# Altium PCB Tag201_GangProgrammerRev1.PcbDoc (part 4 of 7) (continued)
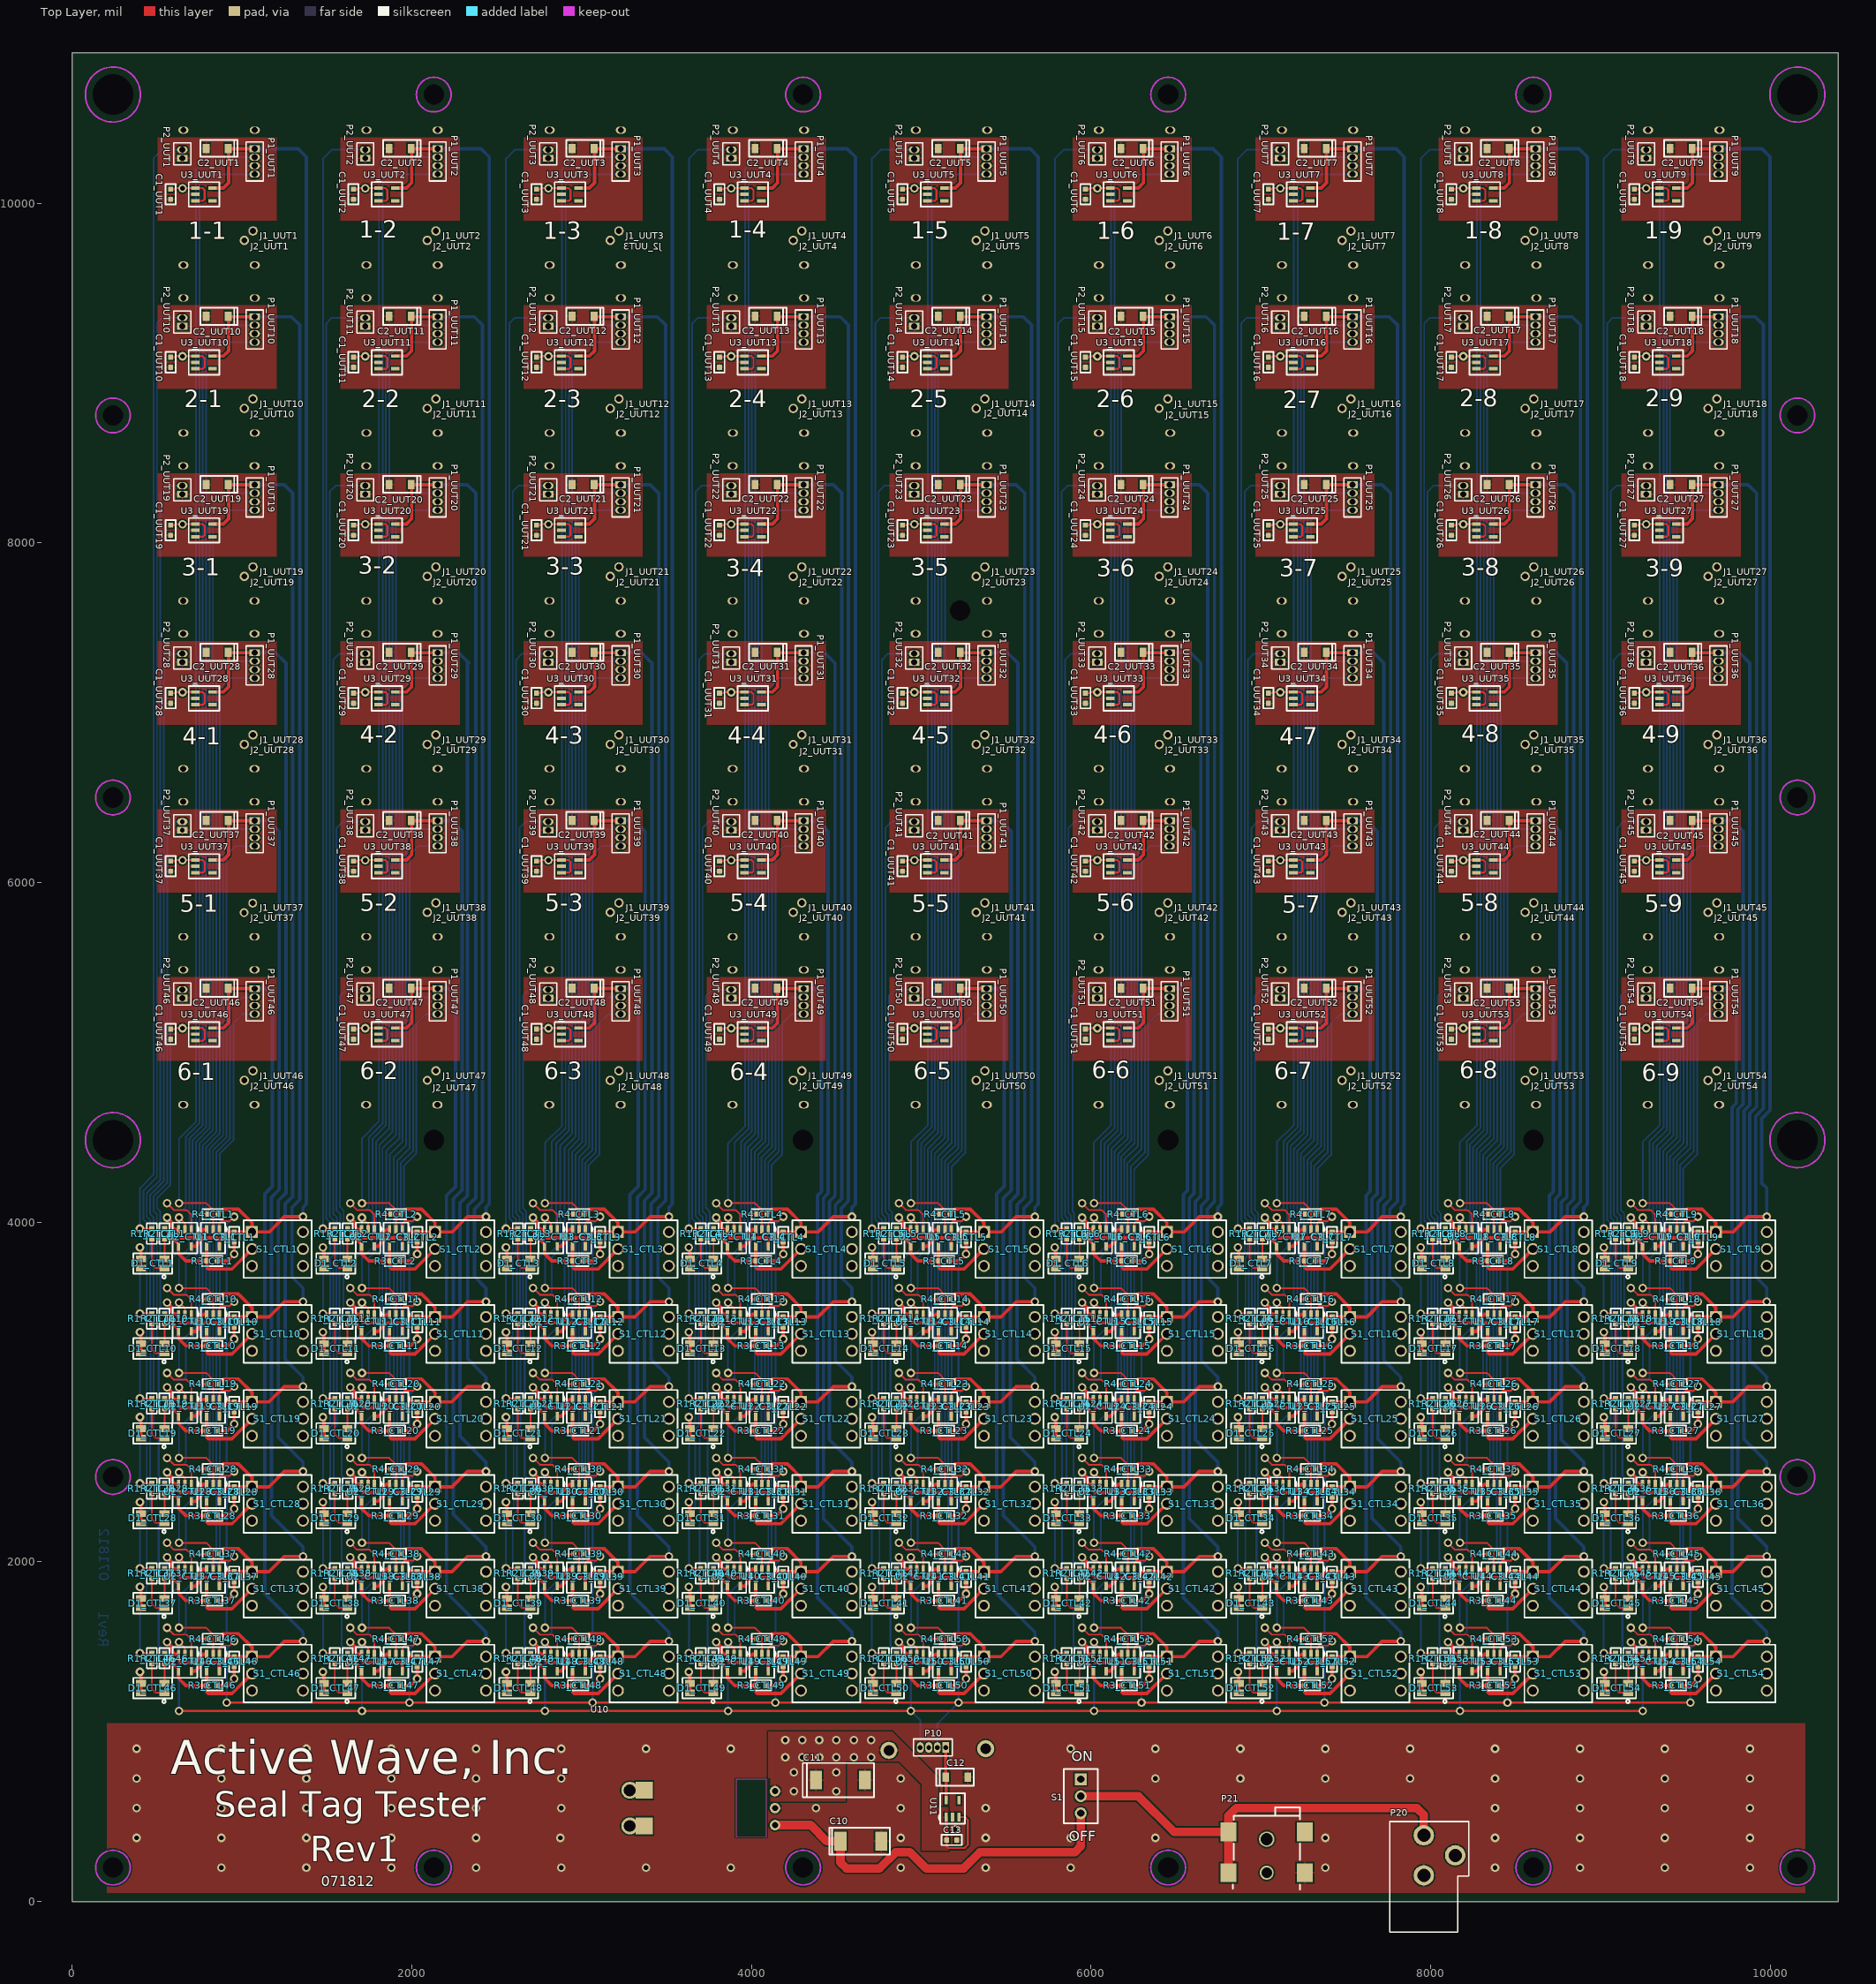
[diagram p0: Top Layer view]
## Nets (pads, with @x,y where several pads share a name; then routed paths per layer and width w, separated by ;. In a path a pad name is that pad's centre, name@x,y a point inside that pad or via, vN(x,y) a via of type N, cw(c..) or ccw(c..) an arc to the next point about the centre after c; other vN are vias at no path point) (continued)
  Top Layer w20: v1(399,1352) 405.1,1345.9 D1_CTL46.4@405.1,1284.56 D1_CTL46.3@405.1,1229.44 ; v1(399,1852) 405.1,1845.9 D1_CTL37.4@405.1,1784.56 D1_CTL37.3@405.1,1729.44 ; v1(399,2352) 405.1,2345.9 D1_CTL28.4@405.1,2284.56 D1_CTL28.3@405.1,2229.44 ; v1(399,2852) 405.1,2845.9 D1_CTL19.4@405.1,2784.56 D1_CTL19.3@405.1,2729.44 ; v1(399,3352) 405.1,3345.9 D1_CTL10.4@405.1,3284.56 D1_CTL10.3@405.1,3229.44 ; v1(399,3852) 405.1,3845.9 D1_CTL1.4@405.1,3784.56 D1_CTL1.3@405.1,3729.44 ; v1(559,1527) 589,1497 589,1472 604,1457 U2_CTL46.3@626.5,1457 626.5,1422 641.5,1407 724,1407 774,1457 U1_CTL46.3@791.5,1457 ; v1@559,1532 v1@561.5,1529.5 ; v1(559,2027) 589,1997 589,1972 604,1957 U2_CTL37.3@626.5,1957 626.5,1922 641.5,1907 724,1907 774,1957 U1_CTL37.3@791.5,1957 ; v1@559,2032 v1@561.5,2029.5 ; v1(559,2527) 589,2497 589,2472 604,2457 U2_CTL28.3@626.5,2457 626.5,2422 641.5,2407 724,2407 774,2457 U1_CTL28.3@791.5,2457 ; v1@559,2532 v1@561.5,2529.5 ; v1(559,3027) 589,2997 589,2972 604,2957 U2_CTL19.3@626.5,2957 626.5,2922 641.5,2907 724,2907 774,2957 U1_CTL19.3@791.5,2957 ; v1@559,3032 v1@561.5,3029.5 ; v1(559,3527) 589,3497 589,3472 604,3457 U2_CTL10.3@626.5,3457 626.5,3422 641.5,3407 724,3407 774,3457 U1_CTL10.3@791.5,3457 ; v1@559,3532 v1@561.5,3529.5 ; v1(559,4027) 589,3997 589,3972 604,3957 U2_CTL1.3@626.5,3957 626.5,3922 641.5,3907 724,3907 774,3957 U1_CTL1.3@791.5,3957 ; v1@559,4032 v1@561.5,4029.5 ; R3_CTL46.2@854,1272 914,1272 v1(954,1312) C3_CTL46.2@954,1382 ; R3_CTL37.2@854,1772 914,1772 v1(954,1812) C3_CTL37.2@954,1882 ; R3_CTL28.2@854,2272 914,2272 v1(954,2312) C3_CTL28.2@954,2382 ; R3_CTL19.2@854,2772 914,2772 v1(954,2812) C3_CTL19.2@954,2882 ; R3_CTL10.2@854,3272 914,3272 v1(954,3312) C3_CTL10.2@954,3382 ; R3_CTL1.2@854,3772 914,3772 v1(954,3812) C3_CTL1.2@954,3882 ; v1(1476.5,1352) 1482.6,1345.9 D1_CTL47.4@1482.6,1284.56 D1_CTL47.3@1482.6,1229.44 ; v1(1476.5,1852) 1482.6,1845.9 D1_CTL38.4@1482.6,1784.56 D1_CTL38.3@1482.6,1729.44 ; v1(1476.5,2352) 1482.6,2345.9 D1_CTL29.4@1482.6,2284.56 D1_CTL29.3@1482.6,2229.44 ; v1(1476.5,2852) 1482.6,2845.9 D1_CTL20.4@1482.6,2784.56 D1_CTL20.3@1482.6,2729.44 ; v1(1476.5,3352) 1482.6,3345.9 D1_CTL11.4@1482.6,3284.56 D1_CTL11.3@1482.6,3229.44 ; v1(1476.5,3852) 1482.6,3845.9 D1_CTL2.4@1482.6,3784.56 D1_CTL2.3@1482.6,3729.44 ; v1(1636.5,1527) 1666.5,1497 1666.5,1472 1681.5,1457 U2_CTL47.3@1704,1457 1704,1422 1719,1407 1801.5,1407 1851.5,1457 U1_CTL47.3@1869,1457 ; v1@1636.5,1532 v1@1639,1529.5 ; v1(1636.5,2027) 1666.5,1997 1666.5,1972 1681.5,1957 U2_CTL38.3@1704,1957 1704,1922 1719,1907 1801.5,1907 1851.5,1957 U1_CTL38.3@1869,1957 ; v1@1636.5,2032 v1@1639,2029.5 ; v1(1636.5,2527) 1666.5,2497 1666.5,2472 1681.5,2457 U2_CTL29.3@1704,2457 1704,2422 1719,2407 1801.5,2407 1851.5,2457 U1_CTL29.3@1869,2457 ; v1@1636.5,2532 v1@1639,2529.5 ; v1(1636.5,3027) 1666.5,2997 1666.5,2972 1681.5,2957 U2_CTL20.3@1704,2957 1704,2922 1719,2907 1801.5,2907 1851.5,2957 U1_CTL20.3@1869,2957 ; v1@1636.5,3032 v1@1639,3029.5 ; v1(1636.5,3527) 1666.5,3497 1666.5,3472 1681.5,3457 U2_CTL11.3@1704,3457 1704,3422 1719,3407 1801.5,3407 1851.5,3457 U1_CTL11.3@1869,3457 ; v1@1636.5,3532 v1@1639,3529.5 ; v1(1636.5,4027) 1666.5,3997 1666.5,3972 1681.5,3957 U2_CTL2.3@1704,3957 1704,3922 1719,3907 1801.5,3907 1851.5,3957 U1_CTL2.3@1869,3957 ; v1@1636.5,4032 v1@1639,4029.5 ; R3_CTL47.2@1931.5,1272 1991.5,1272 v1(2031.5,1312) C3_CTL47.2@2031.5,1382 ; R3_CTL38.2@1931.5,1772 1991.5,1772 v1(2031.5,1812) C3_CTL38.2@2031.5,1882 ; R3_CTL29.2@1931.5,2272 1991.5,2272 v1(2031.5,2312) C3_CTL29.2@2031.5,2382 ; R3_CTL20.2@1931.5,2772 1991.5,2772 v1(2031.5,2812) C3_CTL20.2@2031.5,2882 ; R3_CTL11.2@1931.5,3272 1991.5,3272 v1(2031.5,3312) C3_CTL11.2@2031.5,3382 ; R3_CTL2.2@1931.5,3772 1991.5,3772 v1(2031.5,3812) C3_CTL2.2@2031.5,3882 ; v1(2554,1352) 2560.1,1345.9 D1_CTL48.4@2560.1,1284.56 D1_CTL48.3@2560.1,1229.44 ; v1(2554,1852) 2560.1,1845.9 D1_CTL39.4@2560.1,1784.56 D1_CTL39.3@2560.1,1729.44 ; v1(2554,2352) 2560.1,2345.9 D1_CTL30.4@2560.1,2284.56 D1_CTL30.3@2560.1,2229.44 ; v1(2554,2852) 2560.1,2845.9 D1_CTL21.4@2560.1,2784.56 D1_CTL21.3@2560.1,2729.44 ; v1(2554,3352) 2560.1,3345.9 D1_CTL12.4@2560.1,3284.56 D1_CTL12.3@2560.1,3229.44 ; v1(2554,3852) 2560.1,3845.9 D1_CTL3.4@2560.1,3784.56 D1_CTL3.3@2560.1,3729.44 ; v1(2714,1527) 2744,1497 2744,1472 2759,1457 U2_CTL48.3@2781.5,1457 2781.5,1422 2796.5,1407 2879,1407 2929,1457 U1_CTL48.3@2946.5,1457 ; v1@2714,1532 v1@2716.5,1529.5 ; v1(2714,2027) 2744,1997 2744,1972 2759,1957 U2_CTL39.3@2781.5,1957 2781.5,1922 2796.5,1907 2879,1907 2929,1957 U1_CTL39.3@2946.5,1957 ; v1@2714,2032 v1@2716.5,2029.5 ; v1(2714,2527) 2744,2497 2744,2472 2759,2457 U2_CTL30.3@2781.5,2457 2781.5,2422 2796.5,2407 2879,2407 2929,2457 U1_CTL30.3@2946.5,2457 ; v1@2714,2532 v1@2716.5,2529.5 ; v1(2714,3027) 2744,2997 2744,2972 2759,2957 U2_CTL21.3@2781.5,2957 2781.5,2922 2796.5,2907 2879,2907 2929,2957 U1_CTL21.3@2946.5,2957 ; v1@2714,3032 v1@2716.5,3029.5 ; v1(2714,3527) 2744,3497 2744,3472 2759,3457 U2_CTL12.3@2781.5,3457 2781.5,3422 2796.5,3407 2879,3407 2929,3457 U1_CTL12.3@2946.5,3457 ; v1@2714,3532 v1@2716.5,3529.5 ; v1(2714,4027) 2744,3997 2744,3972 2759,3957 U2_CTL3.3@2781.5,3957 2781.5,3922 2796.5,3907 2879,3907 2929,3957 U1_CTL3.3@2946.5,3957 ; v1@2714,4032 v1@2716.5,4029.5 ; R3_CTL48.2@3009,1272 3069,1272 v1(3109,1312) C3_CTL48.2@3109,1382 ; R3_CTL39.2@3009,1772 3069,1772 v1(3109,1812) C3_CTL39.2@3109,1882 ; R3_CTL30.2@3009,2272 3069,2272 v1(3109,2312) C3_CTL30.2@3109,2382 ; R3_CTL21.2@3009,2772 3069,2772 v1(3109,2812) C3_CTL21.2@3109,2882 ; R3_CTL12.2@3009,3272 3069,3272 v1(3109,3312) C3_CTL12.2@3109,3382 ; R3_CTL3.2@3009,3772 3069,3772 v1(3109,3812) C3_CTL3.2@3109,3882 ; v1(3631.5,1352) 3637.6,1345.9 D1_CTL49.4@3637.6,1284.56 D1_CTL49.3@3637.6,1229.44 ; v1(3631.5,1852) 3637.6,1845.9 D1_CTL40.4@3637.6,1784.56 D1_CTL40.3@3637.6,1729.44 ; v1(3631.5,2352) 3637.6,2345.9 D1_CTL31.4@3637.6,2284.56 D1_CTL31.3@3637.6,2229.44 ; v1(3631.5,2852) 3637.6,2845.9 D1_CTL22.4@3637.6,2784.56 D1_CTL22.3@3637.6,2729.44 ; v1(3631.5,3352) 3637.6,3345.9 D1_CTL13.4@3637.6,3284.56 D1_CTL13.3@3637.6,3229.44 ; v1(3631.5,3852) 3637.6,3845.9 D1_CTL4.4@3637.6,3784.56 D1_CTL4.3@3637.6,3729.44 ; v1(3791.5,1527) 3821.5,1497 3821.5,1472 3836.5,1457 U2_CTL49.3@3859,1457 3859,1422 3874,1407 3956.5,1407 4006.5,1457 U1_CTL49.3@4024,1457 ; v1@3791.5,1532 v1@3794,1529.5 ; v1(3791.5,2027) 3821.5,1997 3821.5,1972 3836.5,1957 U2_CTL40.3@3859,1957 3859,1922 3874,1907 3956.5,1907 4006.5,1957 U1_CTL40.3@4024,1957 ; v1@3791.5,2032 v1@3794,2029.5 ; v1(3791.5,2527) 3821.5,2497 3821.5,2472 3836.5,2457 U2_CTL31.3@3859,2457 3859,2422 3874,2407 3956.5,2407 4006.5,2457 U1_CTL31.3@4024,2457 ; v1@3791.5,2532 v1@3794,2529.5 ; v1(3791.5,3027) 3821.5,2997 3821.5,2972 3836.5,2957 U2_CTL22.3@3859,2957 3859,2922 3874,2907 3956.5,2907 4006.5,2957 U1_CTL22.3@4024,2957 ; v1@3791.5,3032 v1@3794,3029.5 ; v1(3791.5,3527) 3821.5,3497 3821.5,3472 3836.5,3457 U2_CTL13.3@3859,3457 3859,3422 3874,3407 3956.5,3407 4006.5,3457 U1_CTL13.3@4024,3457 ; v1@3791.5,3532 v1@3794,3529.5 ; v1(3791.5,4027) 3821.5,3997 3821.5,3972 3836.5,3957 U2_CTL4.3@3859,3957 3859,3922 3874,3907 3956.5,3907 4006.5,3957 U1_CTL4.3@4024,3957 ; v1@3791.5,4032 v1@3794,4029.5 ; R3_CTL49.2@4086.5,1272 4146.5,1272 v1(4186.5,1312) C3_CTL49.2@4186.5,1382 ; R3_CTL40.2@4086.5,1772 4146.5,1772 v1(4186.5,1812) C3_CTL40.2@4186.5,1882 ; R3_CTL31.2@4086.5,2272 4146.5,2272 v1(4186.5,2312) C3_CTL31.2@4186.5,2382 ; R3_CTL22.2@4086.5,2772 4146.5,2772 v1(4186.5,2812) C3_CTL22.2@4186.5,2882 ; R3_CTL13.2@4086.5,3272 4146.5,3272 v1(4186.5,3312) C3_CTL13.2@4186.5,3382 ; R3_CTL4.2@4086.5,3772 4146.5,3772 v1(4186.5,3812) C3_CTL4.2@4186.5,3882 ; v1(4709,1352) 4715.1,1345.9 D1_CTL50.4@4715.1,1284.56 D1_CTL50.3@4715.1,1229.44 ; v1(4709,1852) 4715.1,1845.9 D1_CTL41.4@4715.1,1784.56 D1_CTL41.3@4715.1,1729.44 ; v1(4709,2352) 4715.1,2345.9 D1_CTL32.4@4715.1,2284.56 D1_CTL32.3@4715.1,2229.44 ; v1(4709,2852) 4715.1,2845.9 D1_CTL23.4@4715.1,2784.56 D1_CTL23.3@4715.1,2729.44 ; v1(4709,3352) 4715.1,3345.9 D1_CTL14.4@4715.1,3284.56 D1_CTL14.3@4715.1,3229.44 ; v1(4709,3852) 4715.1,3845.9 D1_CTL5.4@4715.1,3784.56 D1_CTL5.3@4715.1,3729.44 ; v1(4869,1527) 4899,1497 4899,1472 4914,1457 U2_CTL50.3@4936.5,1457 4936.5,1422 4951.5,1407 5034,1407 5084,1457 U1_CTL50.3@5101.5,1457 ; v1@4869,1532 v1@4871.5,1529.5 ; v1(4869,2027) 4899,1997 4899,1972 4914,1957 U2_CTL41.3@4936.5,1957 4936.5,1922 4951.5,1907 5034,1907 5084,1957 U1_CTL41.3@5101.5,1957 ; v1@4869,2032 v1@4871.5,2029.5 ; v1(4869,2527) 4899,2497 4899,2472 4914,2457 U2_CTL32.3@4936.5,2457 4936.5,2422 4951.5,2407 5034,2407 5084,2457 U1_CTL32.3@5101.5,2457 ; v1@4869,2532 v1@4871.5,2529.5 ; v1(4869,3027) 4899,2997 4899,2972 4914,2957 U2_CTL23.3@4936.5,2957 4936.5,2922 4951.5,2907 5034,2907 5084,2957 U1_CTL23.3@5101.5,2957 ; v1@4869,3032 v1@4871.5,3029.5 ; v1(4869,3527) 4899,3497 4899,3472 4914,3457 U2_CTL14.3@4936.5,3457 4936.5,3422 4951.5,3407 5034,3407 5084,3457 U1_CTL14.3@5101.5,3457 ; v1@4869,3532 v1@4871.5,3529.5 ; v1(4869,4027) 4899,3997 4899,3972 4914,3957 U2_CTL5.3@4936.5,3957 4936.5,3922 4951.5,3907 5034,3907 5084,3957 U1_CTL5.3@5101.5,3957 ; v1@4869,4032 v1@4871.5,4029.5 ; R3_CTL50.2@5164,1272 5224,1272 v1(5264,1312) C3_CTL50.2@5264,1382 ; R3_CTL41.2@5164,1772 5224,1772 v1(5264,1812) C3_CTL41.2@5264,1882 ; R3_CTL32.2@5164,2272 5224,2272 v1(5264,2312) C3_CTL32.2@5264,2382 ; R3_CTL23.2@5164,2772 5224,2772 v1(5264,2812) C3_CTL23.2@5264,2882 ; R3_CTL14.2@5164,3272 5224,3272 v1(5264,3312) C3_CTL14.2@5264,3382 ; R3_CTL5.2@5164,3772 5224,3772 v1(5264,3812) C3_CTL5.2@5264,3882 ; v1(5786.5,1352) 5792.6,1345.9 D1_CTL51.4@5792.6,1284.56 D1_CTL51.3@5792.6,1229.44 ; v1(5786.5,1852) 5792.6,1845.9 D1_CTL42.4@5792.6,1784.56 D1_CTL42.3@5792.6,1729.44 ; v1(5786.5,2352) 5792.6,2345.9 D1_CTL33.4@5792.6,2284.56 D1_CTL33.3@5792.6,2229.44 ; v1(5786.5,2852) 5792.6,2845.9 D1_CTL24.4@5792.6,2784.56 D1_CTL24.3@5792.6,2729.44 ; v1(5786.5,3352) 5792.6,3345.9 D1_CTL15.4@5792.6,3284.56 D1_CTL15.3@5792.6,3229.44 ; v1(5786.5,3852) 5792.6,3845.9 D1_CTL6.4@5792.6,3784.56 D1_CTL6.3@5792.6,3729.44 ; v1(5946.5,1527) 5976.5,1497 5976.5,1472 5991.5,1457 U2_CTL51.3@6014,1457 6014,1422 6029,1407 6111.5,1407 6161.5,1457 U1_CTL51.3@6179,1457 ; v1@5946.5,1532 v1@5949,1529.5 ; v1(5946.5,2027) 5976.5,1997 5976.5,1972 5991.5,1957 U2_CTL42.3@6014,1957 6014,1922 6029,1907 6111.5,1907 6161.5,1957 U1_CTL42.3@6179,1957 ; v1@5946.5,2032 v1@5949,2029.5 ; v1(5946.5,2527) 5976.5,2497 5976.5,2472 5991.5,2457 U2_CTL33.3@6014,2457 6014,2422 6029,2407 6111.5,2407 6161.5,2457 U1_CTL33.3@6179,2457 ; v1@5946.5,2532 v1@5949,2529.5 ; v1(5946.5,3027) 5976.5,2997 5976.5,2972 5991.5,2957 U2_CTL24.3@6014,2957 6014,2922 6029,2907 6111.5,2907 6161.5,2957 U1_CTL24.3@6179,2957 ; v1@5946.5,3032 v1@5949,3029.5 ; v1(5946.5,3527) 5976.5,3497 5976.5,3472 5991.5,3457 U2_CTL15.3@6014,3457 6014,3422 6029,3407 6111.5,3407 6161.5,3457 U1_CTL15.3@6179,3457 ; v1@5946.5,3532 v1@5949,3529.5 ; v1(5946.5,4027) 5976.5,3997 5976.5,3972 5991.5,3957 U2_CTL6.3@6014,3957 6014,3922 6029,3907 6111.5,3907 6161.5,3957 U1_CTL6.3@6179,3957 ; v1@5946.5,4032 v1@5949,4029.5 ; R3_CTL51.2@6241.5,1272 6301.5,1272 v1(6341.5,1312) C3_CTL51.2@6341.5,1382 ; R3_CTL42.2@6241.5,1772 6301.5,1772 v1(6341.5,1812) C3_CTL42.2@6341.5,1882 ; R3_CTL33.2@6241.5,2272 6301.5,2272 v1(6341.5,2312) C3_CTL33.2@6341.5,2382 ; R3_CTL24.2@6241.5,2772 6301.5,2772 v1(6341.5,2812) C3_CTL24.2@6341.5,2882 ; R3_CTL15.2@6241.5,3272 6301.5,3272 v1(6341.5,3312) C3_CTL15.2@6341.5,3382 ; R3_CTL6.2@6241.5,3772 6301.5,3772 v1(6341.5,3812) C3_CTL6.2@6341.5,3882 ; v1(6864,1352) 6870.1,1345.9 D1_CTL52.4@6870.1,1284.56 D1_CTL52.3@6870.1,1229.44 ; v1(6864,1852) 6870.1,1845.9 D1_CTL43.4@6870.1,1784.56 D1_CTL43.3@6870.1,1729.44 ; v1(6864,2352) 6870.1,2345.9 D1_CTL34.4@6870.1,2284.56 D1_CTL34.3@6870.1,2229.44 ; v1(6864,2852) 6870.1,2845.9 D1_CTL25.4@6870.1,2784.56 D1_CTL25.3@6870.1,2729.44 ; v1(6864,3352) 6870.1,3345.9 D1_CTL16.4@6870.1,3284.56 D1_CTL16.3@6870.1,3229.44 ; v1(6864,3852) 6870.1,3845.9 D1_CTL7.4@6870.1,3784.56 D1_CTL7.3@6870.1,3729.44 ; v1(7024,1527) 7054,1497 7054,1472 7069,1457 U2_CTL52.3@7091.5,1457 7091.5,1422 7106.5,1407 7189,1407 7239,1457 U1_CTL52.3@7256.5,1457 ; v1@7024,1532 v1@7026.5,1529.5 ; v1(7024,2027) 7054,1997 7054,1972 7069,1957 U2_CTL43.3@7091.5,1957 7091.5,1922 7106.5,1907 7189,1907 7239,1957 U1_CTL43.3@7256.5,1957 ; v1@7024,2032 v1@7026.5,2029.5 ; v1(7024,2527) 7054,2497 7054,2472 7069,2457 U2_CTL34.3@7091.5,2457 7091.5,2422 7106.5,2407 7189,2407 7239,2457 U1_CTL34.3@7256.5,2457 ; v1@7024,2532 v1@7026.5,2529.5 ; v1(7024,3027) 7054,2997 7054,2972 7069,2957 U2_CTL25.3@7091.5,2957 7091.5,2922 7106.5,2907 7189,2907 7239,2957 U1_CTL25.3@7256.5,2957 ; v1@7024,3032 v1@7026.5,3029.5 ; v1(7024,3527) 7054,3497 7054,3472 7069,3457 U2_CTL16.3@7091.5,3457 7091.5,3422 7106.5,3407 7189,3407 7239,3457 U1_CTL16.3@7256.5,3457 ; v1@7024,3532 v1@7026.5,3529.5 ; v1(7024,4027) 7054,3997 7054,3972 7069,3957 U2_CTL7.3@7091.5,3957 7091.5,3922 7106.5,3907 7189,3907 7239,3957 U1_CTL7.3@7256.5,3957 ; v1@7024,4032 v1@7026.5,4029.5 ; R3_CTL52.2@7319,1272 7379,1272 v1(7419,1312) C3_CTL52.2@7419,1382 ; R3_CTL43.2@7319,1772 7379,1772 v1(7419,1812) C3_CTL43.2@7419,1882 ; R3_CTL34.2@7319,2272 7379,2272 v1(7419,2312) C3_CTL34.2@7419,2382 ; R3_CTL25.2@7319,2772 7379,2772 v1(7419,2812) C3_CTL25.2@7419,2882 ; R3_CTL16.2@7319,3272 7379,3272 v1(7419,3312) C3_CTL16.2@7419,3382 ; R3_CTL7.2@7319,3772 7379,3772 v1(7419,3812) C3_CTL7.2@7419,3882 ; v1(7941.5,1352) 7947.6,1345.9 D1_CTL53.4@7947.6,1284.56 D1_CTL53.3@7947.6,1229.44 ; v1(7941.5,1852) 7947.6,1845.9 D1_CTL44.4@7947.6,1784.56 D1_CTL44.3@7947.6,1729.44 ; v1(7941.5,2352) 7947.6,2345.9 D1_CTL35.4@7947.6,2284.56 D1_CTL35.3@7947.6,2229.44 ; v1(7941.5,2852) 7947.6,2845.9 D1_CTL26.4@7947.6,2784.56 D1_CTL26.3@7947.6,2729.44 ; v1(7941.5,3352) 7947.6,3345.9 D1_CTL17.4@7947.6,3284.56 D1_CTL17.3@7947.6,3229.44 ; v1(7941.5,3852) 7947.6,3845.9 D1_CTL8.4@7947.6,3784.56 D1_CTL8.3@7947.6,3729.44 ; v1(8101.5,1527) 8131.5,1497 8131.5,1472 8146.5,1457 U2_CTL53.3@8169,1457 8169,1422 8184,1407 8266.5,1407 8316.5,1457 U1_CTL53.3@8334,1457 ; v1@8101.5,1532 v1@8104,1529.5 ; v1(8101.5,2027) 8131.5,1997 8131.5,1972 8146.5,1957 U2_CTL44.3@8169,1957 8169,1922 8184,1907 8266.5,1907 8316.5,1957 U1_CTL44.3@8334,1957 ; v1@8101.5,2032 v1@8104,2029.5 ; v1(8101.5,2527) 8131.5,2497 8131.5,2472 8146.5,2457 U2_CTL35.3@8169,2457 8169,2422 8184,2407 8266.5,2407 8316.5,2457 U1_CTL35.3@8334,2457 ; v1@8101.5,2532 v1@8104,2529.5 ; v1(8101.5,3027) 8131.5,2997 8131.5,2972 8146.5,2957 U2_CTL26.3@8169,2957 8169,2922 8184,2907 8266.5,2907 8316.5,2957 U1_CTL26.3@8334,2957 ; v1@8101.5,3032 v1@8104,3029.5 ; v1(8101.5,3527) 8131.5,3497 8131.5,3472 8146.5,3457 U2_CTL17.3@8169,3457 8169,3422 8184,3407 8266.5,3407 8316.5,3457 U1_CTL17.3@8334,3457 ; v1@8101.5,3532 v1@8104,3529.5 ; v1(8101.5,4027) 8131.5,3997 8131.5,3972 8146.5,3957 U2_CTL8.3@8169,3957 8169,3922 8184,3907 8266.5,3907 8316.5,3957 U1_CTL8.3@8334,3957 ; v1@8101.5,4032 v1@8104,4029.5 ; R3_CTL53.2@8396.5,1272 8456.5,1272 v1(8496.5,1312) C3_CTL53.2@8496.5,1382 ; R3_CTL44.2@8396.5,1772 8456.5,1772 v1(8496.5,1812) C3_CTL44.2@8496.5,1882 ; R3_CTL35.2@8396.5,2272 8456.5,2272 v1(8496.5,2312) C3_CTL35.2@8496.5,2382 ; R3_CTL26.2@8396.5,2772 8456.5,2772 v1(8496.5,2812) C3_CTL26.2@8496.5,2882 ; R3_CTL17.2@8396.5,3272 8456.5,3272 v1(8496.5,3312) C3_CTL17.2@8496.5,3382 ; R3_CTL8.2@8396.5,3772 8456.5,3772 v1(8496.5,3812) C3_CTL8.2@8496.5,3882 ; v1(9019,1352) 9025.1,1345.9 D1_CTL54.4@9025.1,1284.56 D1_CTL54.3@9025.1,1229.44 ; v1(9019,1852) 9025.1,1845.9 D1_CTL45.4@9025.1,1784.56 D1_CTL45.3@9025.1,1729.44 ; v1(9019,2352) 9025.1,2345.9 D1_CTL36.4@9025.1,2284.56 D1_CTL36.3@9025.1,2229.44 ; v1(9019,2852) 9025.1,2845.9 D1_CTL27.4@9025.1,2784.56 D1_CTL27.3@9025.1,2729.44 ; v1(9019,3352) 9025.1,3345.9 D1_CTL18.4@9025.1,3284.56 D1_CTL18.3@9025.1,3229.44 ; v1(9019,3852) 9025.1,3845.9 D1_CTL9.4@9025.1,3784.56 D1_CTL9.3@9025.1,3729.44 ; v1(9179,1527) 9209,1497 9209,1472 9224,1457 U2_CTL54.3@9246.5,1457 9246.5,1422 9261.5,1407 9344,1407 9394,1457 U1_CTL54.3@9411.5,1457 ; v1@9179,1532 v1@9181.5,1529.5 ; v1(9179,2027) 9209,1997 9209,1972 9224,1957 U2_CTL45.3@9246.5,1957 9246.5,1922 9261.5,1907 9344,1907 9394,1957 U1_CTL45.3@9411.5,1957 ; v1@9179,2032 v1@9181.5,2029.5 ; v1(9179,2527) 9209,2497 9209,2472 9224,2457 U2_CTL36.3@9246.5,2457 9246.5,2422 9261.5,2407 9344,2407 9394,2457 U1_CTL36.3@9411.5,2457 ; v1@9179,2532 v1@9181.5,2529.5 ; v1(9179,3027) 9209,2997 9209,2972 9224,2957 U2_CTL27.3@9246.5,2957 9246.5,2922 9261.5,2907 9344,2907 9394,2957 U1_CTL27.3@9411.5,2957 ; v1@9179,3032 v1@9181.5,3029.5 ; v1(9179,3527) 9209,3497 9209,3472 9224,3457 U2_CTL18.3@9246.5,3457 9246.5,3422 9261.5,3407 9344,3407 9394,3457 U1_CTL18.3@9411.5,3457 ; v1@9179,3532 v1@9181.5,3529.5 ; v1(9179,4027) 9209,3997 9209,3972 9224,3957 U2_CTL9.3@9246.5,3957 9246.5,3922 9261.5,3907 9344,3907 9394,3957 U1_CTL9.3@9411.5,3957 ; v1@9179,4032 v1@9181.5,4029.5 ; R3_CTL54.2@9474,1272 9534,1272 v1(9574,1312) C3_CTL54.2@9574,1382 ; R3_CTL45.2@9474,1772 9534,1772 v1(9574,1812) C3_CTL45.2@9574,1882 ; R3_CTL36.2@9474,2272 9534,2272 v1(9574,2312) C3_CTL36.2@9574,2382 ; R3_CTL27.2@9474,2772 9534,2772 v1(9574,2812) C3_CTL27.2@9574,2882 ; R3_CTL18.2@9474,3272 9534,3272 v1(9574,3312) C3_CTL18.2@9574,3382 ; R3_CTL9.2@9474,3772 9534,3772 v1(9574,3812) C3_CTL9.2@9574,3882
  other v1: 879,200 1379,200 1879,200 2379,200 2879,200 3379,200 3879,200 4879,200 5379,200 5879,200 7379,200 8379,200 8879,200 9379,200 9879,200 379,375 879,375 1379,375 1879,375 2379,375 2874,375 4879,375 5379,375 5879,375 6379,375 7379,375 8379,375 8879,375 9379,375 9879,375 5199,425 379,550 879,550 1379,550 1879,550 2379,550 2879,550 4379,550 4879,550 5379,550 8379,550 8879,550 9379,550 9879,550 379,725 879,725 1379,725 1879,725 2379,725 2879,725 4879,725 6379,725 6879,725 7379,725 7879,725 8379,725 8879,725 9379,725 9879,725 379,900 879,900 1379,900 1879,900 2379,900 2879,900 3379,900 3879,900 5879,900 6379,900 6879,900 7379,900 7879,900 8379,900 8879,900 9379,900 9879,900
NetC10_1: C10.1 S1.3 U10.1 | length 2306.4
  Top Layer w50: U10.1@4139,450 4349,450 4444,355 C10.1@4524,355 4524,230 4559,195 4684,195 4754,195 4849,290 4934,290 5029,195 5249,195 5344,290 5904,290 5939,325 S1.3@5939,520
NetD1_CTL1_1: D1_CTL1.1 R1_CTL1.1 | length 233.2
  Top Layer w10: R1_CTL1.1@469,3902 469,3752 491.56,3729.44 D1_CTL1.1@542.9,3729.44
NetD1_CTL1_2: D1_CTL1.2 R2_CTL1.1 | length 116.3
  Top Layer w10: D1_CTL1.2@544,3785.66 R2_CTL1.1@544,3902
NetD1_CTL2_1: D1_CTL2.1 R1_CTL2.1 | length 233.2
  Top Layer w10: R1_CTL2.1@1546.5,3902 1546.5,3752 1569.06,3729.44 D1_CTL2.1@1620.4,3729.44
NetD1_CTL2_2: D1_CTL2.2 R2_CTL2.1 | length 116.3
  Top Layer w10: D1_CTL2.2@1621.5,3785.66 R2_CTL2.1@1621.5,3902
NetD1_CTL3_1: D1_CTL3.1 R1_CTL3.1 | length 233.2
  Top Layer w10: R1_CTL3.1@2624,3902 2624,3752 2646.56,3729.44 D1_CTL3.1@2697.9,3729.44
NetD1_CTL3_2: D1_CTL3.2 R2_CTL3.1 | length 116.3
  Top Layer w10: D1_CTL3.2@2699,3785.66 R2_CTL3.1@2699,3902
NetD1_CTL4_1: D1_CTL4.1 R1_CTL4.1 | length 233.2
  Top Layer w10: R1_CTL4.1@3701.5,3902 3701.5,3752 3724.06,3729.44 D1_CTL4.1@3775.4,3729.44
NetD1_CTL4_2: D1_CTL4.2 R2_CTL4.1 | length 116.3
  Top Layer w10: D1_CTL4.2@3776.5,3785.66 R2_CTL4.1@3776.5,3902
NetD1_CTL5_1: D1_CTL5.1 R1_CTL5.1 | length 233.2
  Top Layer w10: R1_CTL5.1@4779,3902 4779,3752 4801.56,3729.44 D1_CTL5.1@4852.9,3729.44
NetD1_CTL5_2: D1_CTL5.2 R2_CTL5.1 | length 116.3
  Top Layer w10: D1_CTL5.2@4854,3785.66 R2_CTL5.1@4854,3902
NetD1_CTL6_1: D1_CTL6.1 R1_CTL6.1 | length 233.2
  Top Layer w10: R1_CTL6.1@5856.5,3902 5856.5,3752 5879.06,3729.44 D1_CTL6.1@5930.4,3729.44
NetD1_CTL6_2: D1_CTL6.2 R2_CTL6.1 | length 116.3
  Top Layer w10: D1_CTL6.2@5931.5,3785.66 R2_CTL6.1@5931.5,3902
NetD1_CTL7_1: D1_CTL7.1 R1_CTL7.1 | length 233.2
  Top Layer w10: R1_CTL7.1@6934,3902 6934,3752 6956.56,3729.44 D1_CTL7.1@7007.9,3729.44
NetD1_CTL7_2: D1_CTL7.2 R2_CTL7.1 | length 116.3
  Top Layer w10: D1_CTL7.2@7009,3785.66 R2_CTL7.1@7009,3902
NetD1_CTL8_1: D1_CTL8.1 R1_CTL8.1 | length 233.2
  Top Layer w10: R1_CTL8.1@8011.5,3902 8011.5,3752 8034.06,3729.44 D1_CTL8.1@8085.4,3729.44
NetD1_CTL8_2: D1_CTL8.2 R2_CTL8.1 | length 116.3
  Top Layer w10: D1_CTL8.2@8086.5,3785.66 R2_CTL8.1@8086.5,3902
NetD1_CTL9_1: D1_CTL9.1 R1_CTL9.1 | length 233.2
  Top Layer w10: R1_CTL9.1@9089,3902 9089,3752 9111.56,3729.44 D1_CTL9.1@9162.9,3729.44
NetD1_CTL9_2: D1_CTL9.2 R2_CTL9.1 | length 116.3
  Top Layer w10: D1_CTL9.2@9164,3785.66 R2_CTL9.1@9164,3902
NetD1_CTL10_1: D1_CTL10.1 R1_CTL10.1 | length 233.2
  Top Layer w10: R1_CTL10.1@469,3402 469,3252 491.56,3229.44 D1_CTL10.1@542.9,3229.44
NetD1_CTL10_2: D1_CTL10.2 R2_CTL10.1 | length 116.3
  Top Layer w10: D1_CTL10.2@544,3285.66 R2_CTL10.1@544,3402
NetD1_CTL11_1: D1_CTL11.1 R1_CTL11.1 | length 233.2
  Top Layer w10: R1_CTL11.1@1546.5,3402 1546.5,3252 1569.06,3229.44 D1_CTL11.1@1620.4,3229.44
NetD1_CTL11_2: D1_CTL11.2 R2_CTL11.1 | length 116.3
  Top Layer w10: D1_CTL11.2@1621.5,3285.66 R2_CTL11.1@1621.5,3402
NetD1_CTL12_1: D1_CTL12.1 R1_CTL12.1 | length 233.2
  Top Layer w10: R1_CTL12.1@2624,3402 2624,3252 2646.56,3229.44 D1_CTL12.1@2697.9,3229.44
NetD1_CTL12_2: D1_CTL12.2 R2_CTL12.1 | length 116.3
  Top Layer w10: D1_CTL12.2@2699,3285.66 R2_CTL12.1@2699,3402
NetD1_CTL13_1: D1_CTL13.1 R1_CTL13.1 | length 233.2
  Top Layer w10: R1_CTL13.1@3701.5,3402 3701.5,3252 3724.06,3229.44 D1_CTL13.1@3775.4,3229.44
NetD1_CTL13_2: D1_CTL13.2 R2_CTL13.1 | length 116.3
  Top Layer w10: D1_CTL13.2@3776.5,3285.66 R2_CTL13.1@3776.5,3402
NetD1_CTL14_1: D1_CTL14.1 R1_CTL14.1 | length 233.2
  Top Layer w10: R1_CTL14.1@4779,3402 4779,3252 4801.56,3229.44 D1_CTL14.1@4852.9,3229.44
NetD1_CTL14_2: D1_CTL14.2 R2_CTL14.1 | length 116.3
  Top Layer w10: D1_CTL14.2@4854,3285.66 R2_CTL14.1@4854,3402
NetD1_CTL15_1: D1_CTL15.1 R1_CTL15.1 | length 233.2
  Top Layer w10: R1_CTL15.1@5856.5,3402 5856.5,3252 5879.06,3229.44 D1_CTL15.1@5930.4,3229.44
NetD1_CTL15_2: D1_CTL15.2 R2_CTL15.1 | length 116.3
  Top Layer w10: D1_CTL15.2@5931.5,3285.66 R2_CTL15.1@5931.5,3402
NetD1_CTL16_1: D1_CTL16.1 R1_CTL16.1 | length 233.2
  Top Layer w10: R1_CTL16.1@6934,3402 6934,3252 6956.56,3229.44 D1_CTL16.1@7007.9,3229.44
NetD1_CTL16_2: D1_CTL16.2 R2_CTL16.1 | length 116.3
  Top Layer w10: D1_CTL16.2@7009,3285.66 R2_CTL16.1@7009,3402
NetD1_CTL17_1: D1_CTL17.1 R1_CTL17.1 | length 233.2
  Top Layer w10: R1_CTL17.1@8011.5,3402 8011.5,3252 8034.06,3229.44 D1_CTL17.1@8085.4,3229.44
NetD1_CTL17_2: D1_CTL17.2 R2_CTL17.1 | length 116.3
  Top Layer w10: D1_CTL17.2@8086.5,3285.66 R2_CTL17.1@8086.5,3402
NetD1_CTL18_1: D1_CTL18.1 R1_CTL18.1 | length 233.2
  Top Layer w10: R1_CTL18.1@9089,3402 9089,3252 9111.56,3229.44 D1_CTL18.1@9162.9,3229.44
NetD1_CTL18_2: D1_CTL18.2 R2_CTL18.1 | length 116.3
  Top Layer w10: D1_CTL18.2@9164,3285.66 R2_CTL18.1@9164,3402
NetD1_CTL19_1: D1_CTL19.1 R1_CTL19.1 | length 233.2
  Top Layer w10: R1_CTL19.1@469,2902 469,2752 491.56,2729.44 D1_CTL19.1@542.9,2729.44
NetD1_CTL19_2: D1_CTL19.2 R2_CTL19.1 | length 116.3
  Top Layer w10: D1_CTL19.2@544,2785.66 R2_CTL19.1@544,2902
NetD1_CTL20_1: D1_CTL20.1 R1_CTL20.1 | length 233.2
  Top Layer w10: R1_CTL20.1@1546.5,2902 1546.5,2752 1569.06,2729.44 D1_CTL20.1@1620.4,2729.44
NetD1_CTL20_2: D1_CTL20.2 R2_CTL20.1 | length 116.3
  Top Layer w10: D1_CTL20.2@1621.5,2785.66 R2_CTL20.1@1621.5,2902
NetD1_CTL21_1: D1_CTL21.1 R1_CTL21.1 | length 233.2
  Top Layer w10: R1_CTL21.1@2624,2902 2624,2752 2646.56,2729.44 D1_CTL21.1@2697.9,2729.44
NetD1_CTL21_2: D1_CTL21.2 R2_CTL21.1 | length 116.3
  Top Layer w10: D1_CTL21.2@2699,2785.66 R2_CTL21.1@2699,2902
NetD1_CTL22_1: D1_CTL22.1 R1_CTL22.1 | length 233.2
  Top Layer w10: R1_CTL22.1@3701.5,2902 3701.5,2752 3724.06,2729.44 D1_CTL22.1@3775.4,2729.44
NetD1_CTL22_2: D1_CTL22.2 R2_CTL22.1 | length 116.3
  Top Layer w10: D1_CTL22.2@3776.5,2785.66 R2_CTL22.1@3776.5,2902
NetD1_CTL23_1: D1_CTL23.1 R1_CTL23.1 | length 233.2
  Top Layer w10: R1_CTL23.1@4779,2902 4779,2752 4801.56,2729.44 D1_CTL23.1@4852.9,2729.44
NetD1_CTL23_2: D1_CTL23.2 R2_CTL23.1 | length 116.3
  Top Layer w10: D1_CTL23.2@4854,2785.66 R2_CTL23.1@4854,2902
NetD1_CTL24_1: D1_CTL24.1 R1_CTL24.1 | length 233.2
  Top Layer w10: R1_CTL24.1@5856.5,2902 5856.5,2752 5879.06,2729.44 D1_CTL24.1@5930.4,2729.44
NetD1_CTL24_2: D1_CTL24.2 R2_CTL24.1 | length 116.3
  Top Layer w10: D1_CTL24.2@5931.5,2785.66 R2_CTL24.1@5931.5,2902
NetD1_CTL25_1: D1_CTL25.1 R1_CTL25.1 | length 233.2
  Top Layer w10: R1_CTL25.1@6934,2902 6934,2752 6956.56,2729.44 D1_CTL25.1@7007.9,2729.44
NetD1_CTL25_2: D1_CTL25.2 R2_CTL25.1 | length 116.3
  Top Layer w10: D1_CTL25.2@7009,2785.66 R2_CTL25.1@7009,2902
NetD1_CTL26_1: D1_CTL26.1 R1_CTL26.1 | length 233.2
  Top Layer w10: R1_CTL26.1@8011.5,2902 8011.5,2752 8034.06,2729.44 D1_CTL26.1@8085.4,2729.44
NetD1_CTL26_2: D1_CTL26.2 R2_CTL26.1 | length 116.3
  Top Layer w10: D1_CTL26.2@8086.5,2785.66 R2_CTL26.1@8086.5,2902
NetD1_CTL27_1: D1_CTL27.1 R1_CTL27.1 | length 233.2
  Top Layer w10: R1_CTL27.1@9089,2902 9089,2752 9111.56,2729.44 D1_CTL27.1@9162.9,2729.44
NetD1_CTL27_2: D1_CTL27.2 R2_CTL27.1 | length 116.3
  Top Layer w10: D1_CTL27.2@9164,2785.66 R2_CTL27.1@9164,2902
NetD1_CTL28_1: D1_CTL28.1 R1_CTL28.1 | length 233.2
  Top Layer w10: R1_CTL28.1@469,2402 469,2252 491.56,2229.44 D1_CTL28.1@542.9,2229.44
NetD1_CTL28_2: D1_CTL28.2 R2_CTL28.1 | length 116.3
  Top Layer w10: D1_CTL28.2@544,2285.66 R2_CTL28.1@544,2402
NetD1_CTL29_1: D1_CTL29.1 R1_CTL29.1 | length 233.2
  Top Layer w10: R1_CTL29.1@1546.5,2402 1546.5,2252 1569.06,2229.44 D1_CTL29.1@1620.4,2229.44
NetD1_CTL29_2: D1_CTL29.2 R2_CTL29.1 | length 116.3
  Top Layer w10: D1_CTL29.2@1621.5,2285.66 R2_CTL29.1@1621.5,2402
NetD1_CTL30_1: D1_CTL30.1 R1_CTL30.1 | length 233.2
  Top Layer w10: R1_CTL30.1@2624,2402 2624,2252 2646.56,2229.44 D1_CTL30.1@2697.9,2229.44
NetD1_CTL30_2: D1_CTL30.2 R2_CTL30.1 | length 116.3
  Top Layer w10: D1_CTL30.2@2699,2285.66 R2_CTL30.1@2699,2402
NetD1_CTL31_1: D1_CTL31.1 R1_CTL31.1 | length 233.2
  Top Layer w10: R1_CTL31.1@3701.5,2402 3701.5,2252 3724.06,2229.44 D1_CTL31.1@3775.4,2229.44
NetD1_CTL31_2: D1_CTL31.2 R2_CTL31.1 | length 116.3
  Top Layer w10: D1_CTL31.2@3776.5,2285.66 R2_CTL31.1@3776.5,2402
NetD1_CTL32_1: D1_CTL32.1 R1_CTL32.1 | length 233.2
  Top Layer w10: R1_CTL32.1@4779,2402 4779,2252 4801.56,2229.44 D1_CTL32.1@4852.9,2229.44
NetD1_CTL32_2: D1_CTL32.2 R2_CTL32.1 | length 116.3
  Top Layer w10: D1_CTL32.2@4854,2285.66 R2_CTL32.1@4854,2402
NetD1_CTL33_1: D1_CTL33.1 R1_CTL33.1 | length 233.2
  Top Layer w10: R1_CTL33.1@5856.5,2402 5856.5,2252 5879.06,2229.44 D1_CTL33.1@5930.4,2229.44
NetD1_CTL33_2: D1_CTL33.2 R2_CTL33.1 | length 116.3
  Top Layer w10: D1_CTL33.2@5931.5,2285.66 R2_CTL33.1@5931.5,2402
NetD1_CTL34_1: D1_CTL34.1 R1_CTL34.1 | length 233.2
  Top Layer w10: R1_CTL34.1@6934,2402 6934,2252 6956.56,2229.44 D1_CTL34.1@7007.9,2229.44
NetD1_CTL34_2: D1_CTL34.2 R2_CTL34.1 | length 116.3
  Top Layer w10: D1_CTL34.2@7009,2285.66 R2_CTL34.1@7009,2402
NetD1_CTL35_1: D1_CTL35.1 R1_CTL35.1 | length 233.2
  Top Layer w10: R1_CTL35.1@8011.5,2402 8011.5,2252 8034.06,2229.44 D1_CTL35.1@8085.4,2229.44
NetD1_CTL35_2: D1_CTL35.2 R2_CTL35.1 | length 116.3
  Top Layer w10: D1_CTL35.2@8086.5,2285.66 R2_CTL35.1@8086.5,2402
NetD1_CTL36_1: D1_CTL36.1 R1_CTL36.1 | length 233.2
  Top Layer w10: R1_CTL36.1@9089,2402 9089,2252 9111.56,2229.44 D1_CTL36.1@9162.9,2229.44
NetD1_CTL36_2: D1_CTL36.2 R2_CTL36.1 | length 116.3
  Top Layer w10: D1_CTL36.2@9164,2285.66 R2_CTL36.1@9164,2402
NetD1_CTL37_1: D1_CTL37.1 R1_CTL37.1 | length 233.2
  Top Layer w10: R1_CTL37.1@469,1902 469,1752 491.56,1729.44 D1_CTL37.1@542.9,1729.44
NetD1_CTL37_2: D1_CTL37.2 R2_CTL37.1 | length 116.3
  Top Layer w10: D1_CTL37.2@544,1785.66 R2_CTL37.1@544,1902
NetD1_CTL38_1: D1_CTL38.1 R1_CTL38.1 | length 233.2
  Top Layer w10: R1_CTL38.1@1546.5,1902 1546.5,1752 1569.06,1729.44 D1_CTL38.1@1620.4,1729.44
NetD1_CTL38_2: D1_CTL38.2 R2_CTL38.1 | length 116.3
  Top Layer w10: D1_CTL38.2@1621.5,1785.66 R2_CTL38.1@1621.5,1902
NetD1_CTL39_1: D1_CTL39.1 R1_CTL39.1 | length 233.2
  Top Layer w10: R1_CTL39.1@2624,1902 2624,1752 2646.56,1729.44 D1_CTL39.1@2697.9,1729.44
NetD1_CTL39_2: D1_CTL39.2 R2_CTL39.1 | length 116.3
  Top Layer w10: D1_CTL39.2@2699,1785.66 R2_CTL39.1@2699,1902
NetD1_CTL40_1: D1_CTL40.1 R1_CTL40.1 | length 233.2
  Top Layer w10: R1_CTL40.1@3701.5,1902 3701.5,1752 3724.06,1729.44 D1_CTL40.1@3775.4,1729.44